# Altium PCB Copy of ToucanEyePCB.PcbDoc (part 2 of 3) (continued)
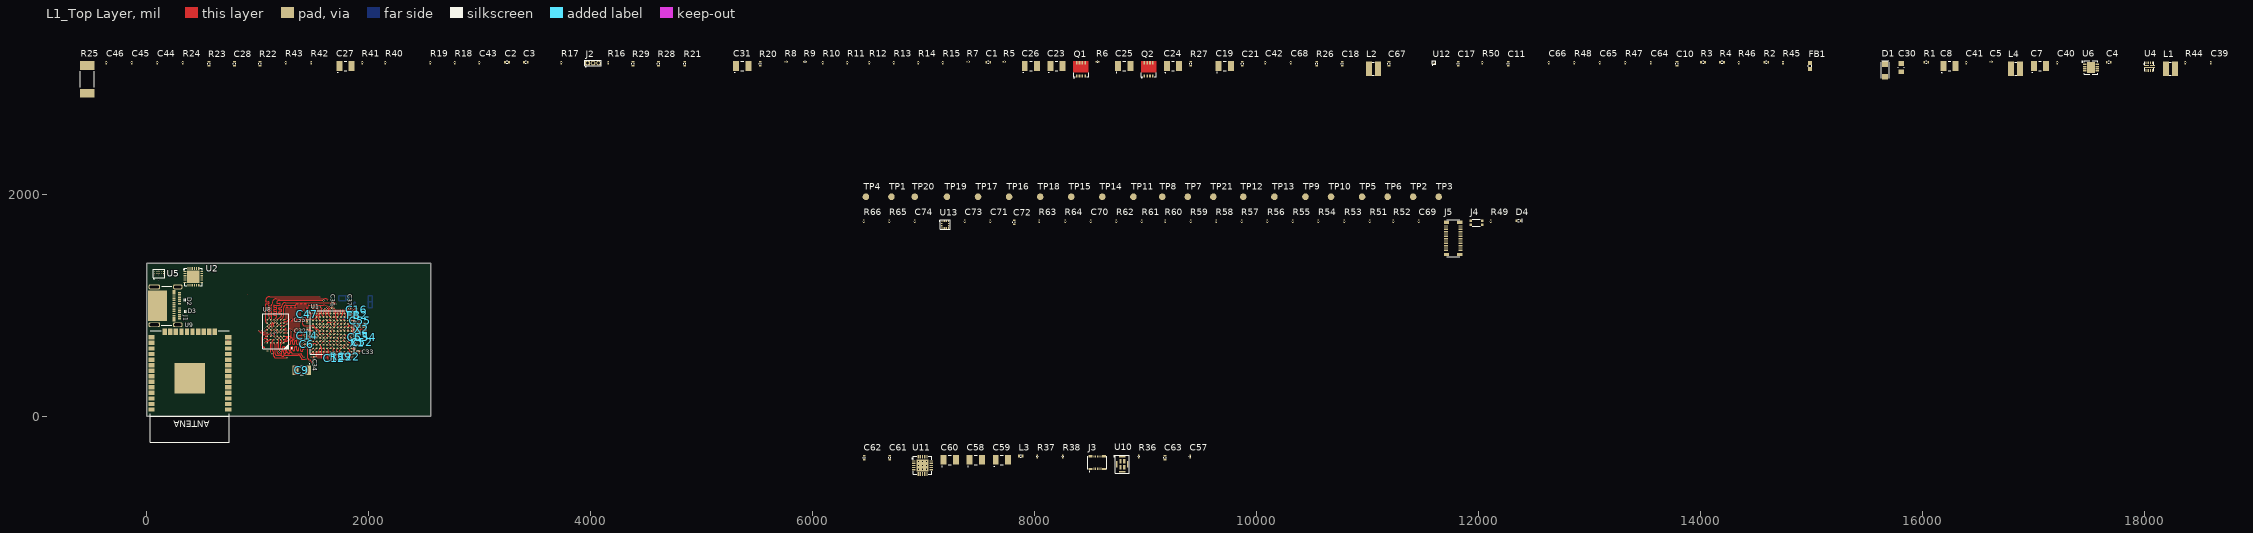
[diagram p0: L1_Top Layer view]
## Nets (pads, with @x,y where several pads share a name; then routed paths per layer and width w, separated by ;. In a path a pad name is that pad's centre, name@x,y a point inside that pad or via, vN(x,y) a via of type N, cw(c..) or ccw(c..) an arc to the next point about the centre after c; other vN are vias at no path point) (continued)
NRST: C48.2 R30.1 TP15.1 U1.J1 | length 71.4
  L1_Top Layer w9.5: U1.J1@1845.77,829.98 1846.16,829.6 v1(1873.7,829.6)
  L6_Bottom Layer w9.5: C48.2@1849.4,842.03 1863,842.03 ; R30.1@1872.07,851.1 1863,842.03 ; v1(1873.7,829.6) 1863,840.3 1863,842.03
PSRAM_A0: U1.E3 U8.A3 | length 982
  L1_Top Layer w8: U8.A3@1177.13,659.37 1177.13,572.3 ccw(c1187.33,572.3) 1187.33,562.1 1206.9,562.1 1209.6,562.1 ccw(c1209.6,568.4) 1215.9,568.4 1215.9,581.94 cw(c1222.2,581.94) 1222.2,588.24 1227.6,588.24 cw(c1227.6,581.94) 1233.9,581.94 1233.9,568.4 ccw(c1240.2,568.4) 1240.2,562.1 1245.6,562.1 ccw(c1245.6,568.4) 1251.9,568.4 1251.9,570.33 cw(c1258.2,570.33) 1258.2,576.63 1263.6,576.63 cw(c1263.6,570.33) 1269.9,570.33 1269.9,568.4 ccw(c1276.2,568.4) 1276.2,562.1 1281.6,562.1 ccw(c1281.6,568.4) 1287.9,568.4 1287.9,570.33 cw(c1294.2,570.33) 1294.2,576.63 1299.6,576.63 cw(c1299.6,570.33) 1305.9,570.33 1305.9,568.4 ccw(c1312.2,568.4) 1312.2,562.1 1357.5,562.1 1386.7,562.1 cw(c1386.7,549.1) 1399.7,549.1 1399.7,548.4 ccw(c1418.6,548.4) v3(1418.6,529.5) ; U1.E3@1783.4,704 U1.E3@1782.78,704 v8(1799,687.8)
  L3_Signa1 w6: v3(1418.6,529.5) 1744.8,529.5 ccw(c1744.8,597.8) 1813.1,597.8 1813.1,653.76 ccw(c1764.96,653.76) v8(1799,687.8)
PSRAM_A1: U1.E2 U8.A4 | length 982
  L1_Top Layer w8: U8.A4@1147.6,659.37 ccw(c1163.23,659.37) 1152.18,648.32 cw(c1131.84,627.99) 1160.6,627.99 1160.6,560 ccw(c1173.3,560) 1173.3,547.3 1190.2,547.3 1199.2,547.3 1213.8,547.3 cw(c1213.8,543.9) 1217.2,543.9 ccw(c1223.5,543.9) 1223.5,537.6 1228.9,537.6 ccw(c1228.9,543.9) 1235.2,543.9 cw(c1238.6,543.9) 1238.6,547.3 1251,547.3 1368.3,547.3 cw(c1368.3,524.5) 1391.1,524.5 ccw(c1404.4,524.5) 1404.4,511.2 v3(1435,511.2) ; U1.E2@1814.28,704 1829.44,688.84 ccw(c1830.5,689.91) v3(1830.5,688.4) v3@1830.5,688.62
  L3_Signa1 w6: v3(1435,511.2) 1766.9,511.2 ccw(c1766.9,566.9) 1822.6,566.9 1822.6,669.33 cw(c1849.57,669.33) v3(1830.5,688.4)
PSRAM_A2: U1.E1 U8.A5 | length 894.2
  L1_Top Layer w6: U8.A5@1117.9,659.2 U8.A5@1118.07,659.37
  L1_Top Layer w8: 1117.9,574.9 U8.A5@1117.9,659.2 ; v4(1828.7,720.5) 1844.8,704.4 ccw(c1845.77,705.38) U1.E1@1845.77,704
  L4_PWR/Signal2 w6: 1155.8,560.6 1714.8,560.6 ccw(c1714.8,628.9) 1783.1,628.9 cw(c1797.6,628.9) 1797.6,643.4 ccw(c1797.6,658.4) 1812.6,658.4 1812.6,708.7 cw(c1824.4,708.7) v4@1824.4,720.5
  L4_PWR/Signal2 w8: v4@1824.4,720.5 v4(1828.7,720.5)
  other v4: 1130.7,560.4
PSRAM_A3: U1.E5 U8.B3 | length 981.7
  L1_Top Layer w8: U8.B3@1177.13,688.9 cw(c1177.13,674.03) 1192,674.03 1192,608.5 ccw(c1203.11,608.5) 1195.25,600.65 cw(c1189.34,594.74) 1197.7,594.74 v3(1197.7,582) ; U1.E5@1719.79,704 1720,704 v3(1736.7,687.3)
  L3_Signa1 w6: v3(1197.7,582) 1197.7,576.9 ccw(c1206,576.9) 1206,568.6 1214,568.6 1224.4,568.6 cw(c1224.4,563) 1230,563 1230,506.07 ccw(c1235.6,506.07) 1235.6,500.47 1240.4,500.47 ccw(c1240.4,506.07) 1246,506.07 1246,563 cw(c1251.6,563) 1251.6,568.6 1256.4,568.6 cw(c1256.4,563) 1262,563 1262,548.23 ccw(c1267.6,548.23) 1267.6,542.63 1272.4,542.63 ccw(c1272.4,548.23) 1278,548.23 1278,563 cw(c1283.6,563) 1283.6,568.6 1288.4,568.6 cw(c1288.4,563) 1294,563 1294,559.12 ccw(c1299.6,559.12) 1299.6,553.52 1304.4,553.52 ccw(c1304.4,559.12) 1310,559.12 1310,563 cw(c1315.6,563) 1315.6,568.6 1317,568.6 1661.15,568.6 ccw(c1661.15,668.6) 1731.86,597.89 1741.48,607.52 ccw(c1719.24,629.76) 1750.7,629.76 1750.7,653.5 ccw(c1702.9,653.5) v3(1736.7,687.3)
PSRAM_A4: U1.F3 U8.B4 | length 980.8
  L1_Top Layer w8: U8.B4@1147.6,688.9 ccw(c1147.6,675.2) 1133.9,675.2 1133.9,595.63 ccw(c1156.43,595.63) 1140.49,579.71 1143.34,576.86 cw(c1132.82,566.34) 1147.7,566.34 1147.7,538.8 ccw(c1162.4,538.8) 1162.4,524.1 v3(1264.55,524.1) ; U1.F3@1782.78,735.5 1799.49,718.8 v3(1799.8,718.8)
  L3_Signa1 w6: v3(1264.55,524.1) ccw(c1268.17,527.72) 1268.17,522.6 1283.4,522.6 ccw(c1283.4,546.5) 1300.3,529.6 1316.85,546.15 cw(c1346.67,516.33) 1346.67,558.5 1710.2,558.5 ccw(c1710.2,631) 1782.7,631 1782.7,690 cw(c1794.5,690) 1794.5,701.8 ccw(c1794.5,707.1) 1799.8,707.1 v3(1799.8,718.8)
PSRAM_A5: U1.F4 U8.C3 | length 969.3
  L1_Top Layer w8: U8.C3@1177.13,718.43 cw(c1177.13,715.9) 1178.91,717.69 v4(1193.1,703.5) ; v4(1735.7,719.6) U1.F4@1751.28,735.5
  L4_PWR/Signal2 w6: v4(1193.1,703.5) ccw(c1210.3,703.5) 1210.3,686.3 1251.1,686.3 cw(c1251.1,675) 1262.4,675 1262.4,672.6 ccw(c1268,672.6) 1268,667 1270.73,667 cw(c1270.73,661.4) 1276.33,661.4 1276.33,656.6 cw(c1270.73,656.6) 1270.73,651 1268,651 ccw(c1268,645.4) 1262.4,645.4 1262.4,640.6 ccw(c1268,640.6) 1268,635 1284.68,635 cw(c1284.68,629.4) 1290.28,629.4 1290.28,624.6 cw(c1284.68,624.6) 1284.68,619 1268,619 ccw(c1268,613.4) 1262.4,613.4 1262.4,608.5 ccw(c1272.3,608.5) 1272.3,598.6 1278,598.6 1286,598.6 cw(c1291.57,598.6) 1291.57,604.17 1296.43,604.17 cw(c1296.43,598.6) 1302,598.6 1302,589.06 ccw(c1307.6,589.06) 1307.6,583.46 1312.4,583.46 ccw(c1312.4,589.06) 1318,589.06 1318,593 cw(c1323.6,593) 1323.6,598.6 1328.4,598.6 cw(c1328.4,593) 1334,593 1334,589.06 ccw(c1339.6,589.06) 1339.6,583.46 1344.4,583.46 ccw(c1344.4,589.06) 1350,589.06 1350,593 cw(c1355.6,593) 1355.6,598.6 1360.4,598.6 cw(c1360.4,593) 1366,593 1366,589.06 ccw(c1371.6,589.06) 1371.6,583.46 1376.4,583.46 ccw(c1376.4,589.06) 1382,589.06 1382,593 cw(c1387.6,593) 1387.6,598.6 1392.4,598.6 cw(c1392.4,593) 1398,593 1398,589.06 ccw(c1403.6,589.06) 1403.6,583.46 1408.4,583.46 ccw(c1408.4,589.06) 1414,589.06 1414,593 cw(c1419.6,593) 1419.6,598.6 1455.7,598.6 1457.8,598.6 cw(c1457.8,588.9) 1467.5,588.9 1467.5,586.7 ccw(c1475,586.7) 1475,579.2 1521.2,579.2 ccw(c1521.2,587.7) 1529.7,587.7 cw(c1541.9,587.7) 1541.9,599.9 1705.1,599.9 ccw(c1705.1,625.6) 1730.8,625.6 cw(c1743.6,625.6) 1734.55,634.65 1745.1,645.2 ccw(c1734.48,655.82) 1749.5,655.82 1749.5,657.5 ccw(c1730.91,657.5) 1744.06,670.64 1741.7,673 cw(c1756.19,687.49) 1735.7,687.49 v4(1735.7,719.6)
PSRAM_A6: U1.G5 U8.C4 | length 971.7
  L1_Top Layer w8: U8.C4@1147.6,718.43 1162.33,703.7 v4(1163.3,703.7) ; U1.G5@1719.79,768.41 U1.G5@1719.79,766.99 ; U1.G5@1720.19,766.99 U1.G5@1719.79,766.99 ; v4(1736,751.5) 1736,750.78 U1.G5@1719.79,766.99
  L4_PWR/Signal2 w6: v4(1163.3,703.7) cw(c1163.3,691.1) 1175.9,691.1 1175.9,688.6 ccw(c1190.4,688.6) 1190.4,674.1 1242,674.1 cw(c1242,665.2) 1250.9,665.2 1250.9,664.8 1250.9,656.8 1250.9,646.4 cw(c1245.3,646.4) 1245.3,640.8 1238.83,640.8 ccw(c1238.83,635.2) 1233.23,635.2 1233.23,630.4 ccw(c1238.83,630.4) 1238.83,624.8 1245.3,624.8 cw(c1245.3,619.2) 1250.9,619.2 1250.9,614.4 cw(c1245.3,614.4) 1245.3,608.8 1238.83,608.8 ccw(c1238.83,603.2) 1233.23,603.2 1233.23,598.4 ccw(c1238.83,598.4) 1238.83,592.8 1245.3,592.8 cw(c1245.3,587.2) 1250.9,587.2 1250.9,580.2 1250.9,575 ccw(c1255.8,575) 1255.8,570.1 1533.2,570.1 ccw(c1533.2,575.3) 1538.4,575.3 1538.4,581.7 cw(c1546.5,581.7) 1546.5,589.8 1715.8,589.8 ccw(c1715.8,614.1) 1740.1,614.1 cw(c1757,614.1) 1745.04,626.04 1758.4,639.4 ccw(c1749.23,648.57) 1762.2,648.57 1762.2,660.43 ccw(c1749.23,660.43) 1758.4,669.6 cw(c1776.51,687.71) 1750.9,687.71 1750.9,715.53 ccw(c1700.03,715.53) v4(1736,751.5)
PSRAM_A7: U1.J6 U8.D4 | length 972.3
  L1_Top Layer w8: U8.D4@1147.6,747.96 1147.6,747.6 ccw(c1162.8,747.6) v4(1162.8,732.4) ; U1.J6@1688.88,829.98 U1.J6@1688.29,829.98 cw(c1704.41,829.98) 1704.41,846.1 v4(1705,846.1)
  L4_PWR/Signal2 w6: v4(1162.8,732.4) 1288.7,732.4 cw(c1288.7,723.3) 1297.8,723.3 1297.8,703.3 ccw(c1312.7,703.3) 1312.7,688.4 cw(c1312.7,678.3) 1322.8,678.3 1322.8,652.8 ccw(c1328.7,652.8) 1328.7,646.9 1332.2,646.9 1340.7,646.9 cw(c1340.7,641.3) 1346.3,641.3 1346.3,638.52 ccw(c1351.9,638.52) 1351.9,632.92 1356.7,632.92 ccw(c1356.7,638.52) 1362.3,638.52 1362.3,641.3 cw(c1367.9,641.3) 1367.9,646.9 1372.7,646.9 cw(c1372.7,641.3) 1378.3,641.3 1378.3,638.52 ccw(c1383.9,638.52) 1383.9,632.92 1388.7,632.92 ccw(c1388.7,638.52) 1394.3,638.52 1394.3,646.9 cw(c1398.09,646.9) 1398.09,650.69 1406.51,650.69 cw(c1406.51,646.9) 1410.3,646.9 1410.3,638.52 ccw(c1415.9,638.52) 1415.9,632.92 1420.7,632.92 ccw(c1420.7,638.52) 1426.3,638.52 1426.3,646.9 cw(c1429.4,646.9) 1429.4,650 1439.2,650 cw(c1439.2,646.9) 1442.3,646.9 1442.3,638.52 ccw(c1447.9,638.52) 1447.9,632.92 1452.7,632.92 ccw(c1452.7,638.52) 1458.3,638.52 1458.3,641.3 cw(c1463.9,641.3) 1463.9,646.9 1466.3,646.9 ccw(c1466.3,652.1) 1471.5,652.1 1471.5,658.5 cw(c1485.3,658.5) 1485.3,672.3 1485.7,672.3 1494.7,672.3 1506.4,672.3 cw(c1506.4,666) 1512.7,666 1512.7,663.07 ccw(c1519,663.07) 1519,656.76 1524.4,656.76 ccw(c1524.4,663.07) 1530.7,663.07 1530.7,672.3 1530.7,686.74 cw(c1537,686.74) 1537,693.04 1542.4,693.04 cw(c1542.4,686.74) 1548.7,686.74 1548.7,678.6 ccw(c1555,678.6) 1555,672.3 1566.1,672.3 1643.97,672.3 ccw(c1643.97,683.97) 1655.64,683.97 ccw(c1640.8,689.1) 1656.5,689.1 cw(c1666.4,689.1) 1659.4,696.1 1664.99,701.69 cw(c1672.5,694.18) 1672.5,704.8 ccw(c1672.5,721.4) 1689.1,721.4 1689.1,823.6 cw(c1695.4,823.6) 1695.4,829.9 ccw(c1695.4,839.5) 1705,839.5 v4(1705,846.1) v4@1705,846.3
PSRAM_A8: U1.M7 U8.H2 | length 1022.4
  L1_Top Layer w8: 1645.9,972.8 1641.36,977.34 ccw(c1591.48,927.45) 1591.48,998 1467.8,998 1459.7,998 ccw(c1459.7,992.6) 1454.3,992.6 1454.3,976.41 cw(c1448.9,976.41) 1448.9,971.01 1441.7,971.01 cw(c1441.7,976.41) 1436.3,976.41 1436.3,998 1436.3,1004.89 ccw(c1430.9,1004.89) 1430.9,1010.29 1423.7,1010.29 ccw(c1423.7,1004.89) 1418.3,1004.89 1418.3,998 1418.3,957.43 cw(c1412.9,957.43) 1412.9,952.03 1405.7,952.03 cw(c1405.7,957.43) 1400.3,957.43 1400.3,998 1400.3,1004.89 ccw(c1394.9,1004.89) 1394.9,1010.29 1387.7,1010.29 ccw(c1387.7,1004.89) 1382.3,1004.89 1382.3,998 1382.3,887.51 cw(c1376.9,887.51) 1376.9,882.11 1369.7,882.11 cw(c1369.7,887.51) 1364.3,887.51 1364.3,998 1364.3,1004.89 ccw(c1358.9,1004.89) 1358.9,1010.29 1351.7,1010.29 ccw(c1351.7,1004.89) 1346.3,1004.89 1346.3,1003.4 cw(c1340.9,1003.4) 1340.9,998 1337.3,998 1256.8,998 ccw(c1256.8,974.7) 1233.5,974.7 1233.5,901.3 cw(c1213.25,901.3) 1227.57,886.98 U8.H2@1206.66,866.07 cw(c1206.66,892.72) U8.H2@1206.5,866.07 ; 1646.59,972.11 cw(c1622.18,947.7) 1656.7,947.7 1656.7,924.57 U1.M7@1656.8,924.47 ; U8.H2@1206.5,866.07 cw(c1206.66,892.72) 1206.1,866.07 U8.H2@1206.5,866.07
PSRAM_A9: U1.H6 U8.H3 | length 981.7
  L1_Top Layer w8: U8.H3@1177.13,866.07 1211.34,900.28 ccw(c1197.92,913.7) 1216.9,913.7 1216.9,914.6 1216.9,917.3 ccw(c1210.6,917.3) 1210.6,923.6 1195.73,923.6 cw(c1195.73,929.9) 1189.43,929.9 1189.43,935.3 cw(c1195.73,935.3) 1195.73,941.6 1210.6,941.6 ccw(c1210.6,947.9) 1216.9,947.9 1216.9,953.3 ccw(c1210.6,953.3) 1210.6,959.6 1195.73,959.6 cw(c1195.73,965.9) 1189.43,965.9 1189.43,971.3 cw(c1195.73,971.3) 1195.73,977.6 1210.6,977.6 ccw(c1210.6,983.9) 1216.9,983.9 1216.9,987.7 1216.9,989.7 cw(c1249,989.7) 1249,1021.8 1690.8,1021.8 cw(c1690.8,1009.5) v3(1703.1,1009.5) ; U1.H6@1688.29,798.49 1688.29,799.39 cw(c1704.7,799.39) v3(1704.7,815.8)
  L3_Signa1 w6: v3(1703.1,1009.5) 1703.1,867 ccw(c1710.2,867) 1710.2,859.9 cw(c1710.2,850.7) 1719.4,850.7 1719.4,820.7 cw(c1714.3,820.7) 1714.3,815.6 1704.7,815.6 v3(1704.7,815.8)
PSRAM_A10: U1.L7 U8.H4 | length 982.6
  L1_Top Layer w8: U8.H4@1147.97,866.07 U8.H4@1147.6,866.07 1166.65,885.11 ccw(c1152.76,899) 1172.4,899 1172.4,899.7 1172.4,902.4 ccw(c1166.1,902.4) 1166.1,908.7 1149.66,908.7 cw(c1149.66,915) 1143.36,915 1143.36,920.4 cw(c1149.66,920.4) 1149.66,926.7 1166.1,926.7 ccw(c1166.1,933) 1172.4,933 1172.4,938.4 ccw(c1166.1,938.4) 1166.1,944.7 1149.66,944.7 cw(c1149.66,951) 1143.36,951 1143.36,956.4 cw(c1149.66,956.4) 1149.66,962.7 1166.1,962.7 ccw(c1166.1,969) 1172.4,969 1172.4,974.4 ccw(c1166.1,974.4) 1166.1,980.7 1149.66,980.7 cw(c1149.66,987) 1143.36,987 1143.36,992.4 cw(c1149.66,992.4) 1149.66,998.7 1172.4,998.7 1198.77,998.7 ccw(c1198.77,1005) 1205.07,1005 1205.07,1010.4 ccw(c1198.77,1010.4) 1198.77,1016.7 1175.7,1016.7 cw(c1175.7,1020) 1172.4,1020 cw(c1194.1,1020) 1194.1,1041.7 v3(1593.4,1041.7) ; v3(1619.6,969.7) cw(c1619.6,947.9) 1641.4,947.9 1641.4,918.55 ccw(c1671.45,918.55) 1650.2,897.3 1652.92,894.58 ccw(c1656.8,898.46) U1.L7@1656.8,892.98
  L3_Signa1 w6: v3(1593.4,1041.7) cw(c1593.4,1026.9) 1608.2,1026.9 1608.2,980.8 ccw(c1619.3,980.8) v3@1619.3,969.7
  L3_Signa1 w8: v3@1619.3,969.7 v3(1619.6,969.7)
PSRAM_A11: U1.M8 U8.H5 | length 984.4
  L1_Top Layer w8: U8.H5@1118.07,866.07 ccw(c1090.24,893.9) 1129.6,893.9 1129.6,896.6 ccw(c1123.3,896.6) 1123.3,902.9 1101.75,902.9 cw(c1101.75,909.2) 1095.45,909.2 1095.45,914.6 cw(c1101.75,914.6) 1101.75,920.9 1123.3,920.9 ccw(c1123.3,927.2) 1129.6,927.2 1129.6,932.6 ccw(c1123.3,932.6) 1123.3,938.9 1101.75,938.9 cw(c1101.75,945.2) 1095.45,945.2 1095.45,950.6 cw(c1101.75,950.6) 1101.75,956.9 1123.3,956.9 ccw(c1123.3,963.2) 1129.6,963.2 1129.6,968.6 ccw(c1123.3,968.6) 1123.3,974.9 1101.75,974.9 cw(c1101.75,981.2) 1095.45,981.2 1095.45,986.6 cw(c1101.75,986.6) 1101.75,992.9 1123.3,992.9 ccw(c1123.3,999.2) 1129.6,999.2 1129.6,1008.1 1129.6,1009.16 cw(c1183.77,1009.16) 1145.47,1047.47 cw(c1169.93,1023) 1169.93,1057.6 1606,1057.6 cw(c1606,1018) 1634,1046 v3(1637.4,1042.6) ; U1.M8@1625.3,924.47 v3(1625.3,947.39) ; v3(1625.3,947.39) ccw(c1623.59,947.39) 1624.8,948.6 1625.3,948.1 v3(1625.3,947.39)
  L3_Signa1 w6: v3(1625.3,947.39) cw(c1638.84,947.39) 1629.26,956.96 ccw(c1609.62,976.6) 1637.4,976.6 v3(1637.4,1042.6)
PSRAM_A12: U1.F12 U8.G3 | length 982.4
  L1_Top Layer w6: v3(1473.2,731.6) 1495.42,731.6 U1.F12@1499.32,735.5
  L1_Top Layer w8: v3(1163,822.2) 1163,822.41 U8.G3@1177.13,836.54 U8.G3@1177.34,836.54
  L3_Signa1 w6: v3(1163,822.2) 1163,817 cw(c1155.7,817) 1155.7,809.7 1125,809.7 ccw(c1125,803.2) 1118.5,803.2 1118.5,785.2 1118.5,780.9 cw(c1112.9,780.9) 1112.9,775.3 1104.3,775.3 ccw(c1104.3,769.7) 1098.7,769.7 1098.7,764.9 ccw(c1104.3,764.9) 1104.3,759.3 1112.9,759.3 cw(c1112.9,753.7) 1118.5,753.7 1118.5,751.3 1118.5,728.5 ccw(c1128.7,728.5) 1128.7,718.3 1174.6,718.3 ccw(c1174.6,723.9) 1180.2,723.9 1180.2,731.77 cw(c1185.8,731.77) 1185.8,737.37 1190.6,737.37 cw(c1190.6,731.77) 1196.2,731.77 1196.2,723.9 ccw(c1201.8,723.9) 1201.8,718.3 1206.6,718.3 ccw(c1206.6,723.9) 1212.2,723.9 1212.2,731.77 cw(c1217.8,731.77) 1217.8,737.37 1222.6,737.37 cw(c1222.6,731.77) 1228.2,731.77 1228.2,718.3 ccw(c1232.93,718.3) 1232.93,713.57 1239.47,713.57 ccw(c1239.47,718.3) 1244.2,718.3 1244.2,732.11 cw(c1249.8,732.11) 1249.8,737.71 1254.6,737.71 cw(c1254.6,732.11) 1260.2,732.11 1260.2,718.3 1260.2,705.13 ccw(c1265.8,705.13) 1265.8,699.53 1270.6,699.53 ccw(c1270.6,705.13) 1276.2,705.13 1276.2,718.3 1276.2,732.11 cw(c1281.8,732.11) 1281.8,737.71 1286.6,737.71 cw(c1286.6,732.11) 1292.2,732.11 1292.2,718.3 1292.2,717.73 ccw(c1297.8,717.73) 1297.8,712.13 1302.6,712.13 ccw(c1302.6,717.73) 1308.2,717.73 1308.2,718.3 1308.2,732.02 cw(c1313.8,732.02) 1313.8,737.62 1318.6,737.62 cw(c1318.6,732.02) 1324.2,732.02 1324.2,718.3 1324.2,717.73 ccw(c1329.8,717.73) 1329.8,712.13 1334.6,712.13 ccw(c1334.6,717.73) 1340.2,717.73 1340.2,718.3 1340.2,720.99 cw(c1345.8,720.99) 1345.8,726.59 1350.6,726.59 cw(c1350.6,720.99) 1356.2,720.99 1356.2,718.3 1356.2,717.73 ccw(c1361.8,717.73) 1361.8,712.13 1366.6,712.13 ccw(c1366.6,717.73) 1372.2,717.73 1372.2,718.3 1372.2,768.87 cw(c1377.8,768.87) 1377.8,774.47 1382.6,774.47 cw(c1382.6,768.87) 1388.2,768.87 1388.2,723.9 ccw(c1393.8,723.9) 1393.8,718.3 1394.1,718.3 1395.7,718.3 ccw(c1395.7,726) 1403.4,726 cw(c1411.5,726) 1411.5,734.1 1413.9,734.1 1416.3,734.1 ccw(c1416.3,739.7) 1421.9,739.7 1421.9,764.7 cw(c1427.5,764.7) 1427.5,770.3 1432.3,770.3 cw(c1432.3,764.7) 1437.9,764.7 1437.9,739.7 ccw(c1443.5,739.7) 1443.5,734.1 1451.7,734.1 1467.16,734.1 cw(c1467.16,725.56) v3(1473.2,731.6)
PSRAM_A13: U1.F7 U8.G4 | length 969.4
  L1_Top Layer w8: U8.G4@1147.6,836.54 1161.9,850.84 v4(1161.9,851.8) ; v4(1640.5,751.6) 1641.19,751.6 1656.8,736 U1.F7@1656.8,735.5
  L4_PWR/Signal2 w6: v4(1161.9,851.8) 1178.47,868.37 ccw(c1162.93,883.9) 1184.9,883.9 cw(c1216.8,883.9) 1216.8,915.8 1243.2,915.8 1251.2,915.8 1261.6,915.8 cw(c1261.6,910.2) 1267.2,910.2 1267.2,906.46 ccw(c1272.8,906.46) 1272.8,900.86 1277.6,900.86 ccw(c1277.6,906.46) 1283.2,906.46 1283.2,910.2 cw(c1288.8,910.2) 1288.8,915.8 1293.6,915.8 cw(c1293.6,910.2) 1299.2,910.2 1299.2,906.46 ccw(c1304.8,906.46) 1304.8,900.86 1309.6,900.86 ccw(c1309.6,906.46) 1315.2,906.46 1315.2,910.2 cw(c1320.8,910.2) 1320.8,915.8 1325.6,915.8 cw(c1325.6,910.2) 1331.2,910.2 1331.2,906.46 ccw(c1336.8,906.46) 1336.8,900.86 1341.6,900.86 ccw(c1341.6,906.46) 1347.2,906.46 1347.2,910.2 cw(c1352.8,910.2) 1352.8,915.8 1357.6,915.8 cw(c1357.6,910.2) 1363.2,910.2 1363.2,906.46 ccw(c1368.8,906.46) 1368.8,900.86 1373.6,900.86 ccw(c1373.6,906.46) 1379.2,906.46 1379.2,910.2 cw(c1384.8,910.2) 1384.8,915.8 1416.8,915.8 1423.9,915.8 cw(c1423.9,903.2) 1436.5,903.2 1436.5,882.8 ccw(c1447.5,882.8) 1447.5,871.8 1449.8,871.8 1452.2,871.8 ccw(c1452.2,877.4) 1457.8,877.4 1457.8,907.18 cw(c1463.4,907.18) 1463.4,912.78 1468.2,912.78 cw(c1468.2,907.18) 1473.8,907.18 1473.8,877.4 ccw(c1479.4,877.4) 1479.4,871.8 1484.2,871.8 ccw(c1484.2,877.4) 1489.8,877.4 1489.8,907.18 cw(c1495.4,907.18) 1495.4,912.78 1500.2,912.78 cw(c1500.2,907.18) 1505.8,907.18 1505.8,877.4 ccw(c1511.4,877.4) 1511.4,871.8 1516.2,871.8 ccw(c1516.2,877.4) 1521.8,877.4 1521.8,902.48 cw(c1527.4,902.48) 1527.4,908.08 1532.2,908.08 cw(c1532.2,902.48) 1537.8,902.48 1537.8,877.4 ccw(c1543.4,877.4) 1543.4,871.8 1552.3,871.8 1567.7,871.8 cw(c1567.7,826.1) 1613.4,826.1 1613.4,776.25 ccw(c1623.9,777.7) 1623.9,767.1 cw(c1623.9,758.17) 1630.21,764.49 1638.66,756.04 cw(c1634.22,751.6) v4(1640.5,751.6)
PSRAM_A14: U1.F10 U8.F3 | length 973.2
  L1_Top Layer w8: U8.F3@1177.13,807.01 1177.29,807.01 1191.8,821.52 v4(1191.8,821.6) ; v4(1545.7,751.2) 1546.6,751.2 cw(c1546.6,735.5) U1.F10@1562.31,735.5
  L4_PWR/Signal2 w6: v4@1188.8,821.6 ccw(c1188.8,824.5) 1190.47,822.13 ccw(c1188.8,824.5) 1191.7,824.5 1191.7,861.7 cw(c1201.1,861.7) 1201.1,871.1 1203.5,871.1 ccw(c1203.5,876.7) 1209.1,876.7 1209.1,899.71 cw(c1214.7,899.71) 1214.7,905.31 1219.5,905.31 cw(c1219.5,899.71) 1225.1,899.71 1225.1,871.1 1225.1,869.61 ccw(c1230.7,869.61) 1230.7,864.01 1235.5,864.01 ccw(c1235.5,869.61) 1241.1,869.61 1241.1,871.1 1241.1,899.84 cw(c1246.7,899.84) 1246.7,905.44 1251.5,905.44 cw(c1251.5,899.84) 1257.1,899.84 1257.1,871.1 ccw(c1262.66,871.1) 1262.66,865.54 1267.54,865.54 ccw(c1267.54,871.1) 1273.1,871.1 1273.1,883.54 cw(c1278.7,883.54) 1278.7,889.14 1283.5,889.14 cw(c1283.5,883.54) 1289.1,883.54 1289.1,871.1 ccw(c1294.66,871.1) 1294.66,865.54 1299.54,865.54 ccw(c1299.54,871.1) 1305.1,871.1 1305.1,883.54 cw(c1310.7,883.54) 1310.7,889.14 1315.5,889.14 cw(c1315.5,883.54) 1321.1,883.54 1321.1,871.1 ccw(c1326.66,871.1) 1326.66,865.54 1331.54,865.54 ccw(c1331.54,871.1) 1337.1,871.1 1337.1,883.54 cw(c1342.7,883.54) 1342.7,889.14 1347.5,889.14 cw(c1347.5,883.54) 1353.1,883.54 1353.1,871.1 ccw(c1358.66,871.1) 1358.66,865.54 1363.54,865.54 ccw(c1363.54,871.1) 1369.1,871.1 1369.1,883.54 cw(c1374.7,883.54) 1374.7,889.14 1379.5,889.14 cw(c1379.5,883.54) 1385.1,883.54 1385.1,876.7 ccw(c1390.7,876.7) 1390.7,871.1 1399.5,871.1 1402.8,871.1 cw(c1402.8,864.82) 1407.23,869.27 1411.56,864.94 ccw(c1418.9,872.28) 1418.9,861.9 1567.7,861.9 cw(c1567.7,825.2) 1604.4,825.2 1604.4,757.9 cw(c1582,757.9) 1582,735.5 1546.6,735.5 cw(c1546.6,740.7) 1541.4,740.7 1541.4,746.9 cw(c1545.7,746.9) v4(1545.7,751.2) v4@1545.7,752.6
PSRAM_A15: U1.F8 U8.F4 | length 969.4
  L1_Top Layer w8: v4(1132.7,851) ccw(c1134.39,849.31) 1132,849.31 1132,842.6 ccw(c1156.87,842.6) 1139.28,825.02 1140.75,823.55 cw(c1124.21,807.01) U8.F4@1147.6,807.01 ; U1.F8@1625.3,735.5 ccw(c1641.5,735.5) 1641.5,719.3 v4(1642.3,719.3)
  L4_PWR/Signal2 w6: v4(1132.7,851) cw(c1150.81,851) 1138,863.8 1138.45,864.25 1141,866.8 ccw(c1137.88,869.91) 1141,873.02 cw(c1144.96,876.98) 1141,880.94 1144.39,884.33 cw(c1148.35,880.37) 1152.31,884.33 1155.42,881.22 1162.53,874.11 ccw(c1166.49,878.07) 1170.45,874.11 1173.85,877.5 ccw(c1169.89,881.46) 1173.85,885.42 1166.73,892.53 1163.62,895.64 cw(c1167.58,899.6) 1163.62,903.56 1167.02,906.96 cw(c1170.98,903) 1174.94,906.96 ccw(c1178.05,910.07) 1181.16,906.96 1183.5,909.3 1184.99,910.79 cw(c1222.2,873.57) 1222.2,926.2 1228.4,926.2 1230.8,926.2 ccw(c1230.8,931.8) 1236.4,931.8 1236.4,933.24 cw(c1242,933.24) 1242,938.84 1246.8,938.84 cw(c1246.8,933.24) 1252.4,933.24 1252.4,931.8 ccw(c1258,931.8) 1258,926.2 1262.8,926.2 ccw(c1262.8,931.8) 1268.4,931.8 1268.4,933.24 cw(c1274,933.24) 1274,938.84 1278.8,938.84 cw(c1278.8,933.24) 1284.4,933.24 1284.4,931.8 ccw(c1290,931.8) 1290,926.2 1294.8,926.2 ccw(c1294.8,931.8) 1300.4,931.8 1300.4,933.24 cw(c1306,933.24) 1306,938.84 1310.8,938.84 cw(c1310.8,933.24) 1316.4,933.24 1316.4,931.8 ccw(c1322,931.8) 1322,926.2 1326.8,926.2 ccw(c1326.8,931.8) 1332.4,931.8 1332.4,933.24 cw(c1338,933.24) 1338,938.84 1342.8,938.84 cw(c1342.8,933.24) 1348.4,933.24 1348.4,931.8 ccw(c1354,931.8) 1354,926.2 1358.8,926.2 ccw(c1358.8,931.8) 1364.4,931.8 1364.4,933.24 cw(c1370,933.24) 1370,938.84 1374.8,938.84 cw(c1374.8,933.24) 1380.4,933.24 1380.4,931.8 ccw(c1386,931.8) 1386,926.2 1390.8,926.2 ccw(c1390.8,931.8) 1396.4,931.8 1396.4,933.24 cw(c1402,933.24) 1402,938.84 1406.8,938.84 cw(c1406.8,933.24) 1412.4,933.24 1412.4,931.8 ccw(c1418,931.8) 1418,926.2 1422.8,926.2 ccw(c1422.8,931.8) 1428.4,931.8 1428.4,933.24 cw(c1434,933.24) 1434,938.84 1438.8,938.84 cw(c1438.8,933.24) 1444.4,933.24 1444.4,926.2 1444.4,925.51 ccw(c1450,925.51) 1450,919.91 1454.8,919.91 ccw(c1454.8,925.51) 1460.4,925.51 1460.4,926.2 1460.4,933.24 cw(c1466,933.24) 1466,938.84 1470.8,938.84 cw(c1470.8,933.24) 1476.4,933.24 1476.4,931.8 ccw(c1482,931.8) 1482,926.2 1492.4,926.2 1495.4,926.2 1504.28,926.2 cw(c1504.28,826.2) 1574.99,896.91 1610.24,861.66 cw(c1578.95,830.37) 1623.2,830.37 1623.2,790.1 ccw(c1635.1,790.1) 1635.1,778.2 cw(c1635.1,758.4) 1654.9,758.4 1654.9,731.9 cw(c1642.3,731.9) v4(1642.3,719.3)
PSRAM_A16: U1.G11 U8.E4 | length 970
  L1_Top Layer w8: U8.E4@1147.6,777.9 U8.E4@1147.6,777.48 1162.7,792.58 v4(1162.7,793) ; v4(1515.7,750.5) 1515.7,751.88 U1.G11@1530.81,766.99
  L4_PWR/Signal2 w6: v4(1162.7,793) 1173.07,803.37 cw(c1182.8,793.64) 1182.8,807.4 1191.3,807.4 ccw(c1191.3,822.8) 1206.7,822.8 1206.7,831.9 cw(c1212.3,831.9) 1212.3,837.5 1231.8,837.5 1234.2,837.5 ccw(c1234.2,843.1) 1239.8,843.1 1239.8,851.85 cw(c1245.4,851.85) 1245.4,857.45 1250.2,857.45 cw(c1250.2,851.85) 1255.8,851.85 1255.8,843.1 ccw(c1261.4,843.1) 1261.4,837.5 1266.2,837.5 ccw(c1266.2,843.1) 1271.8,843.1 1271.8,853.36 cw(c1277.4,853.36) 1277.4,858.96 1282.2,858.96 cw(c1282.2,853.36) 1287.8,853.36 1287.8,837.5 1287.8,836.36 ccw(c1293.4,836.36) 1293.4,830.76 1298.2,830.76 ccw(c1298.2,836.36) 1303.8,836.36 1303.8,837.5 1303.8,853.36 cw(c1309.4,853.36) 1309.4,858.96 1314.2,858.96 cw(c1314.2,853.36) 1319.8,853.36 1319.8,837.5 1319.8,836.36 ccw(c1325.4,836.36) 1325.4,830.76 1330.2,830.76 ccw(c1330.2,836.36) 1335.8,836.36 1335.8,837.5 1335.8,853.36 cw(c1341.4,853.36) 1341.4,858.96 1346.2,858.96 cw(c1346.2,853.36) 1351.8,853.36 1351.8,837.5 1351.8,836.36 ccw(c1357.4,836.36) 1357.4,830.76 1362.2,830.76 ccw(c1362.2,836.36) 1367.8,836.36 1367.8,837.5 cw(c1372.33,837.5) 1372.33,842.03 1379.27,842.03 cw(c1379.27,837.5) 1383.8,837.5 1383.8,836.36 ccw(c1389.4,836.36) 1389.4,830.76 1394.2,830.76 ccw(c1394.2,836.36) 1399.8,836.36 1399.8,837.5 1399.8,843.04 cw(c1405.4,843.04) 1405.4,848.64 1410.2,848.64 cw(c1410.2,843.04) 1415.8,843.04 1415.8,837.5 1415.8,836.36 ccw(c1421.4,836.36) 1421.4,830.76 1426.2,830.76 ccw(c1426.2,836.36) 1431.8,836.36 1431.8,837.5 1431.8,847.14 cw(c1437.4,847.14) 1437.4,852.74 1442.2,852.74 cw(c1442.2,847.14) 1447.8,847.14 1447.8,837.5 1447.8,836.36 ccw(c1453.4,836.36) 1453.4,830.76 1458.2,830.76 ccw(c1458.2,836.36) 1463.8,836.36 1463.8,837.5 1463.8,847.14 cw(c1469.4,847.14) 1469.4,852.74 1474.2,852.74 cw(c1474.2,847.14) 1479.8,847.14 1479.8,837.5 1479.8,836.36 ccw(c1485.4,836.36) 1485.4,830.76 1490.2,830.76 ccw(c1490.2,836.36) 1495.8,836.36 1495.8,837.5 1495.8,847.14 cw(c1501.4,847.14) 1501.4,852.74 1506.2,852.74 cw(c1506.2,847.14) 1511.8,847.14 1511.8,837.5 1511.8,836.36 ccw(c1517.4,836.36) 1517.4,830.76 1522.2,830.76 ccw(c1522.2,836.36) 1527.8,836.36 1527.8,836.21 cw(c1529.1,836.2) 1529.1,837.5 1558.4,837.5 1559.04,837.5 cw(c1559.04,827.94) 1565.8,834.7 1566.09,834.41 ccw(c1573.11,841.42) 1573.11,831.5 1576.7,831.5 cw(c1576.7,813.7) 1594.5,813.7 1594.5,783.5 cw(c1577.8,783.5) 1577.8,766.8 1540.7,766.8 ccw(c1540.7,756.8) 1530.7,756.8 1530.7,748.3 cw(c1523.1,748.3) 1523.1,740.7 1522.5,740.7 cw(c1522.5,747.5) v4@1515.7,747.5
  L4_PWR/Signal2 w8: v4@1515.7,747.5 v4(1515.7,750.5)